# Altium PCB MainBoard_6_layers.PcbDoc (part 6 of 6)
Units mil, origin at the board's own origin, x right, y up, seen from the top; angles counter-clockwise.
Board outline 6692.91 x 6692.91 mil, 6 copper layers (Top Layer, Layer 1, Layer 3, Layer 4, Layer 2, Bottom Layer), stack 32.112 mil thick; 236 components, 405 nets, 1909 pads, 1279 vias.
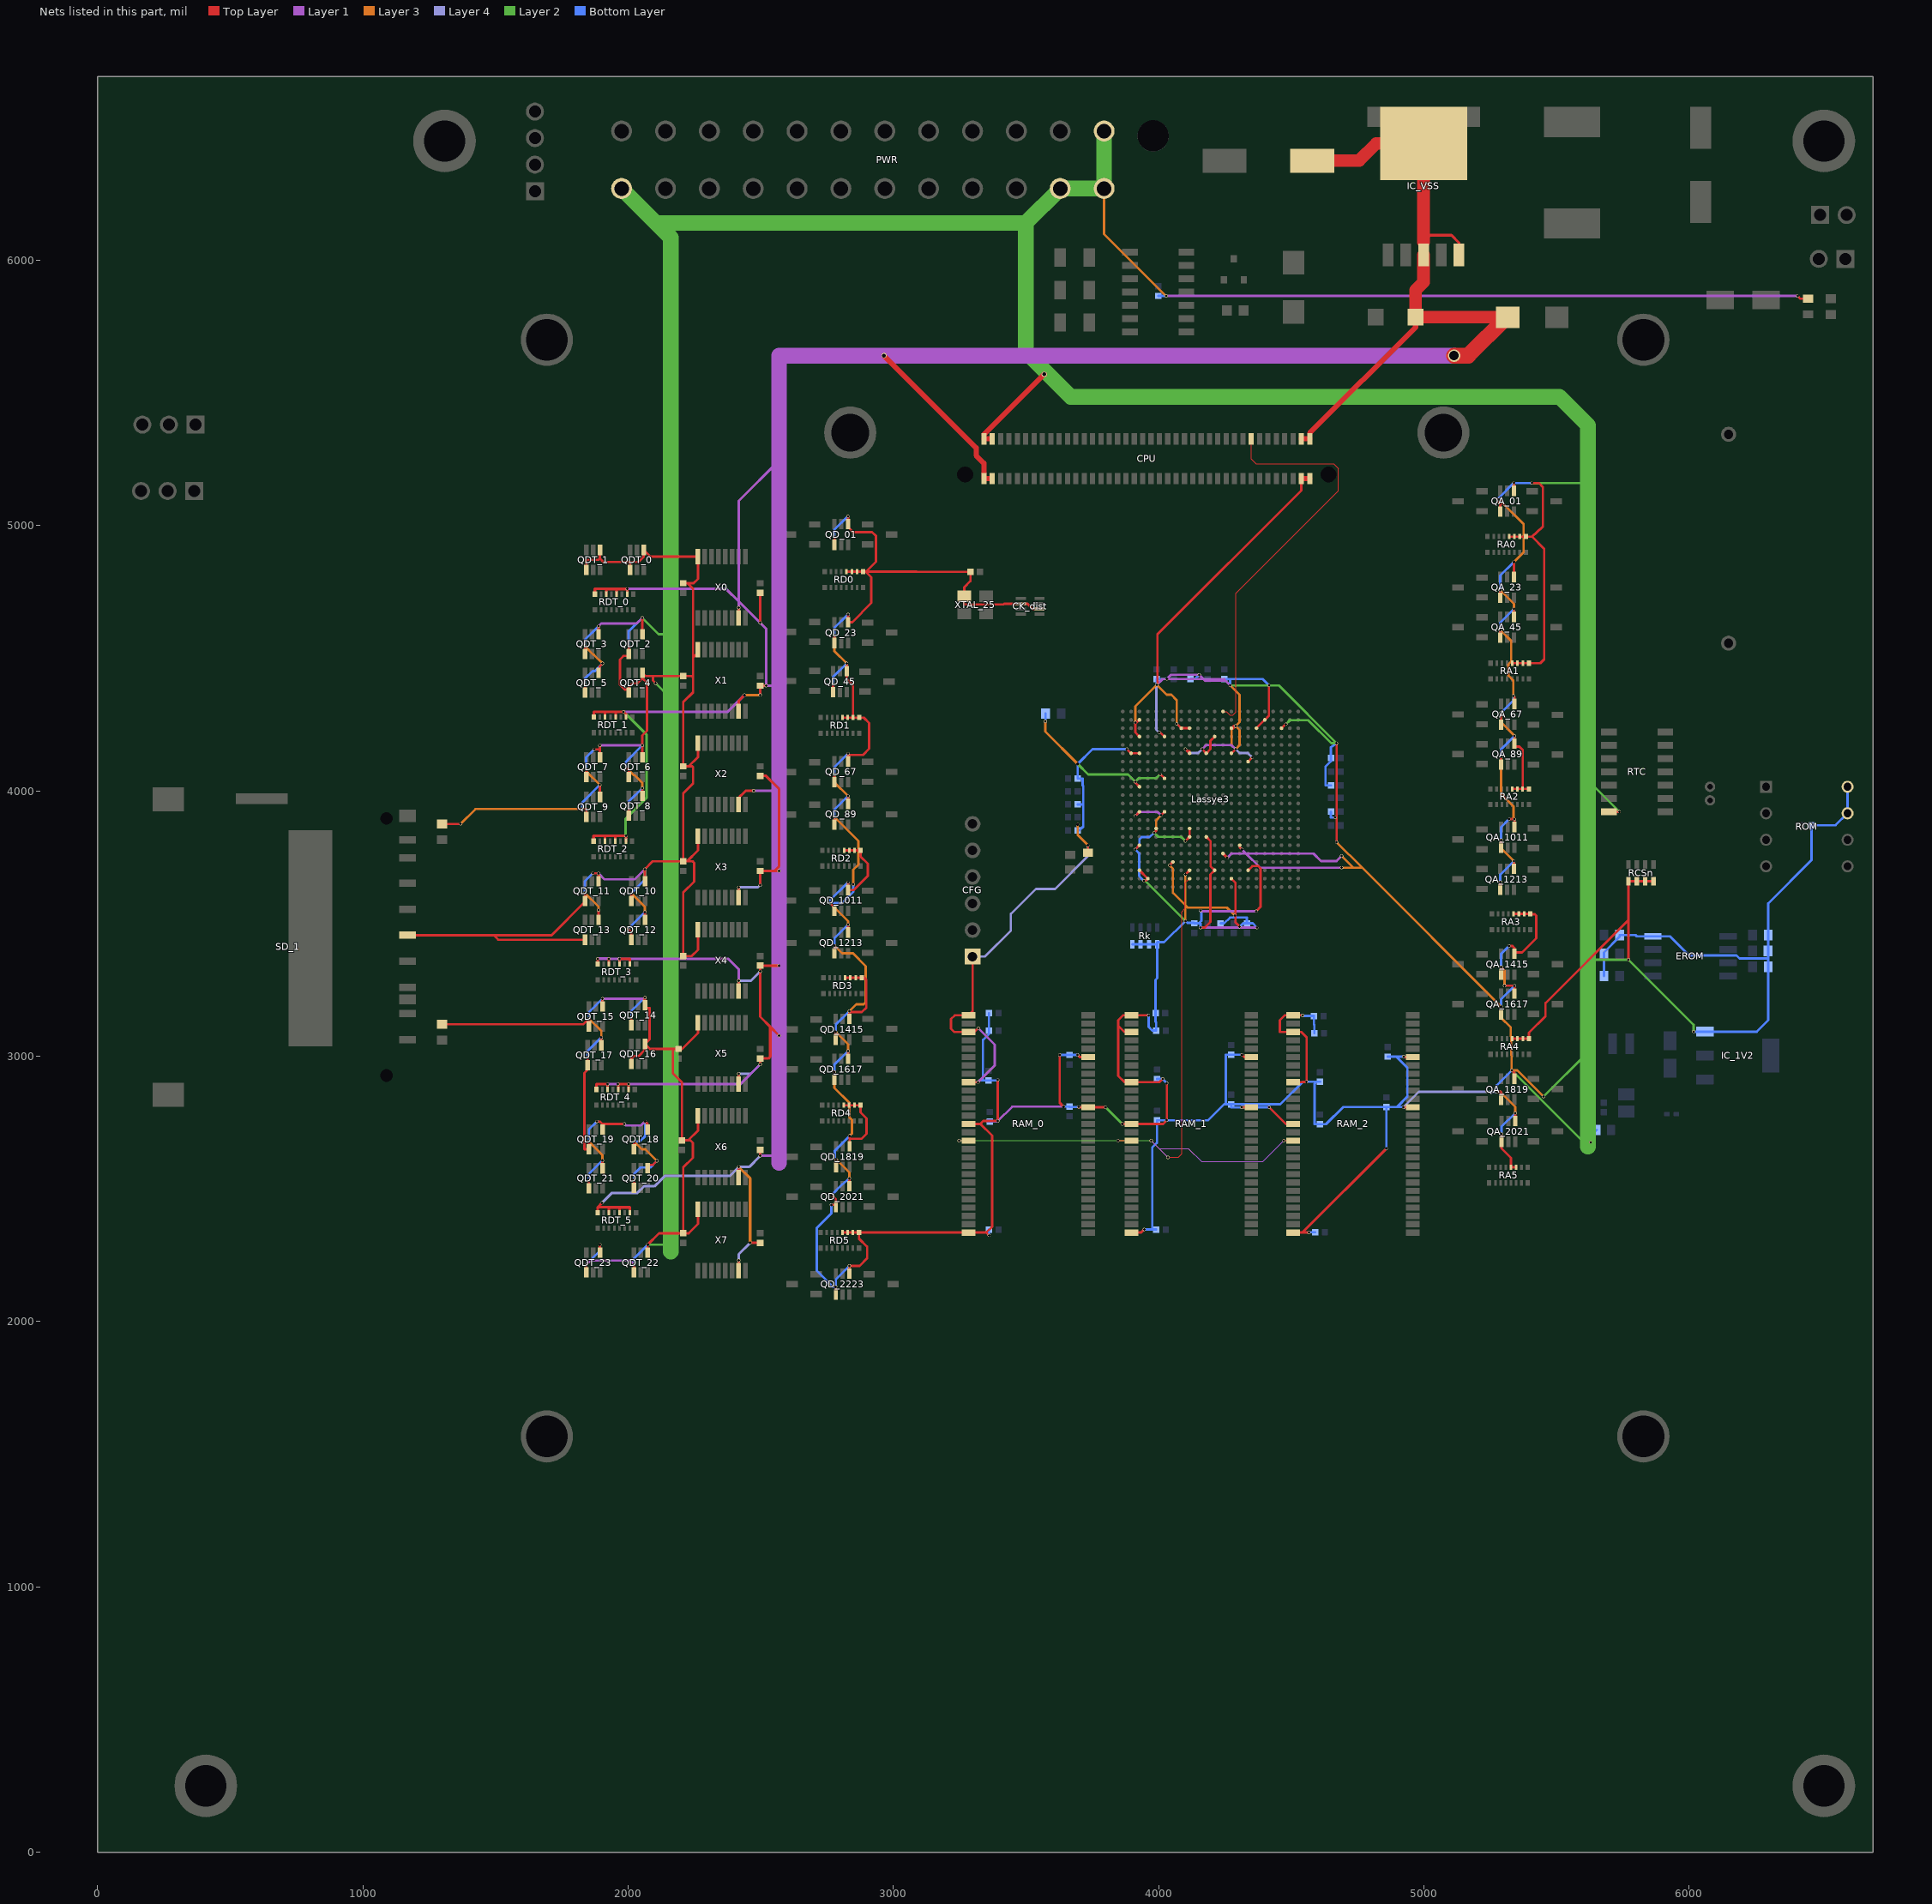
[diagram p10: the nets of this part, all layers, seen from the top]

## Via types
v1: diameter 11.81, hole 9.84, Top Layer to Bottom Layer, tented both sides, 1273 vias
v2: diameter 11.81, hole 9.84, Top Layer to Bottom Layer, 3 vias
v3: diameter 19.68, hole 13.78, Top Layer to Bottom Layer, tented both sides, 2 vias
v4: diameter 47.24, hole 35.43, Top Layer to Bottom Layer, tented both sides, 1 vias

## Nets (pads, with @x,y where several pads share a name; then routed paths per layer and width w, separated by ;. In a path a pad name is that pad's centre, name@x,y a point inside that pad or via, vN(x,y) a via of type N, cw(c..) or ccw(c..) an arc to the next point about the centre after c; other vN are vias at no path point) (continued)
VDD: C_IO0.2 C_IO1.2 C_IO2.2 C_IO3.2 C_IO4.2 C_IO5.2 C_IO6.2 C_IO7.2 C_IO8.2 C_IO9.2 C_IO10.2 C_IO11.2 C_ROM.2 C_X0P.2 C_X1P.2 C_X2P.2 C_X3P.2 C_X4P.2 C_X5P.2 C_X6P.2 C_X7P.2 CFG.1 CICPwr.1 CK_dist.2 CK_dist.6 CPU.1 CPU.3 CPU.78 CPU.80 CR0.1 CR1.1 CR2.1 CR3.1 CR4.1 CR5.1 CR6.1 CR7.1 CR8.1 CR9.1 CR10.1 CR11.1 CR12.1 CR13.1 CR14.1 CR15.1 CR16.1 CR17.1 CR18.1 CR19.1 CR20.1 CRom.1 CXTAL.1 EROM.8 IC_1V2.3 Lassye3.AA4 Lassye3.AA14 Lassye3.B3 Lassye3.B18 Lassye3.C8 Lassye3.C9 Lassye3.C14 Lassye3.C17 Lassye3.C20 Lassye3.D3 Lassye3.D6 Lassye3.D12 Lassye3.F2 Lassye3.F3 Lassye3.F9 Lassye3.F11 Lassye3.F14 Lassye3.G16 Lassye3.J6 Lassye3.K3 Lassye3.N3 Lassye3.N6 Lassye3.R5 Lassye3.R9 Lassye3.T9 Lassye3.T11 Lassye3.U3 Lassye3.U15 Lassye3.V13 Lassye3.W7 Lassye3.Y3 Lassye3.Y9 Lassye3.Y12 Lassye3.Y16 PWR.1 PWR.2 PWR.3 PWR.23 QA_01.1 QA_01.4 QA_23.1 QA_23.4 QA_45.1 QA_45.4 QA_67.1 QA_67.4 QA_89.1 QA_89.4 QA_1011.1 QA_1011.4 QA_1213.1 QA_1213.4 QA_1415.1 QA_1415.4 QA_1617.1 QA_1617.4 QA_1819.1 QA_1819.4 QA_2021.1 QA_2021.4 QD_01.1 QD_01.4 QD_23.1 QD_23.4 QD_45.1 QD_45.4 QD_67.1 QD_67.4 QD_89.1 QD_89.4 QD_1011.1 QD_1011.4 QD_1213.1 QD_1213.4 QD_1415.1 QD_1415.4 QD_1617.1 QD_1617.4 QD_1819.1 QD_1819.4 QD_2021.1 QD_2021.4 QD_2223.1 QD_2223.4 QDT_0.1 QDT_0.4 QDT_1.1 QDT_1.4 QDT_2.1 QDT_2.4 QDT_3.1 QDT_3.4 QDT_4.1 QDT_4.4 QDT_5.1 QDT_5.4 QDT_6.1 QDT_6.4 QDT_7.1 QDT_7.4 QDT_8.1 QDT_8.4 QDT_9.1 QDT_9.4 QDT_10.1 QDT_10.4 QDT_11.1 QDT_11.4 QDT_12.1 QDT_12.4 QDT_13.1 QDT_13.4 QDT_14.1 QDT_14.4 QDT_15.1 QDT_15.4 QDT_16.1 QDT_16.4 QDT_17.1 QDT_17.4 QDT_18.1 QDT_18.4 QDT_19.1 QDT_19.4 QDT_20.1 QDT_20.4 QDT_21.1 QDT_21.4 QDT_22.1 QDT_22.4 QDT_23.1 QDT_23.4 R10K_reset.2 R_CDONE.1 R_CS.2 R_CSI.2 R_Hold.2 R_MISO.2 R_MOSI.2 R_Reset.2 R_WP.2 RA0.9 RA0.10 RA0.11 RA0.12 RA1.9 RA1.10 RA1.11 RA1.12 RA2.9 RA2.10 RA2.11 RA2.12 RA3.9 RA3.10 RA3.11 RA3.12 RA4.9 RA4.10 RA4.11 RA4.12 RA5.11 RA5.12 RAM_0.1 RAM_0.3 RAM_0.9 RAM_0.14 RAM_0.27 RAM_0.43 RAM_0.49 RAM_1.1 RAM_1.3 RAM_1.9 RAM_1.14 RAM_1.27 RAM_1.43 RAM_1.49 RAM_2.1 RAM_2.3 RAM_2.9 RAM_2.14 RAM_2.27 RAM_2.43 RAM_2.49 RCSn.5 RCSn.6 RCSn.7 RCSn.8 RD0.9 RD0.10 RD0.11 RD0.12 RD1.9 RD1.10 RD1.11 RD1.12 RD2.9 RD2.10 RD2.11 RD2.12 RD3.9 RD3.10 RD3.11 RD3.12 RD4.9 RD4.10 RD4.11 RD4.12 RD5.9 RD5.10 RD5.11 RD5.12 RDAT1.2 RDAT2.2 Rk.5 Rk.6 Rk.7 Rk.8 ROM.7 ROM.8 RTC.14 SD_1.P4 X0.16 X1.16 X2.16 X3.16 X4.16 X5.16 X6.16 X7.16 XTAL_25.4 | length 70443.2
  Top Layer w9.02: SD_1.P4@1167.87,3456.29 1493.91,3456.29 ; RDAT2.2@1298.66,3120.58 1830.09,3120.58 v1(1851.91,3142.41) 1852.32,3142 QDT_15.1@1852.32,3112.6 ; RDAT1.2@1298.66,3875.58 1368.19,3875.58 v1(1368.66,3876.05) ; v1(1826.32,3932) 1842.32,3932 QDT_9.1@1842.32,3902.6 ; v1(1836.91,3615.41) 1837.32,3615 QDT_11.1@1837.32,3585.33 1837.32,3582 1711.61,3456.29 1493.91,3456.29 ; v1(1836.91,4400) 1837.32,4399.59 QDT_5.1@1837.32,4370.7 ; v1(1836.91,4546.41) 1837.32,4546 QDT_3.1@1837.32,4516.53 ; QDT_13.1@1837.32,3439.5 1510.71,3439.5 1493.91,3456.29 ; v1(1841.91,4082.41) 1842.32,4082 QDT_7.1@1842.32,4052.6 ; QDT_23.1@1842.32,2185.33 v1@1842.32,2214.92 ; QDT_1.1@1842.32,4833.8 1842.32,4868.96 1844.42,4871.05 1888.66,4871.05 1888.66,4871.81 1893.5,4876.65 ; v1(1846.91,2996) 1847.32,2995.59 QDT_17.1@1847.32,2966.76 1847.32,2950 1834.91,2937.59 1834.91,2650 QDT_19.1@1852.32,2650 ; v1(1851.91,2532.41) 1852.32,2532 QDT_21.1@1852.32,2502.6 ; v1(1851.91,2679.41) 1852.32,2679 QDT_19.1@1852.32,2650 ; QDT_19.1@1852.32,2649.5 QDT_19.1@1852.32,2650 ; v1(1866.91,3690) 1888.23,3690 v1(1888.5,3689.73) QDT_11.4@1888.5,3660.14 ; v1(1871.91,4157) 1893.51,4157 ; v1(1881.91,2754) 1893.5,2754 1903.5,2745.18 ; QDT_13.4@1888.5,3514.3 1888.58,3514.38 1888.58,3550.97 v1(1888.66,3551.05) ; QDT_5.4@1888.5,4445.5 1892.85,4449.85 1892.85,4470.25 v1(1903.66,4481.05) ; QDT_3.4@1888.51,4591.34 v1(1888.51,4620.93) ; QDT_23.4@1893.5,2260.14 1893.5,2289.59 v1(1893.91,2290) ; QDT_9.4@1893.5,3977.4 v1(1893.5,4023) ; QDT_7.4@1893.51,4127.4 1893.51,4157 ; v1(1893.51,4172) 1893.51,4157 ; QDT_1.4@1893.5,4908.6 1893.5,4876.65 ; QDT_17.4@1898.5,3041.56 v1@1898.5,3070.59 ; v1@1898.5,3071 v1@1898.5,3070.59 ; v1(1898.91,3071) v1@1898.5,3070.59 ; QDT_21.4@1903.5,2577.4 v1(1903.5,2606.99) ; QDT_19.4@1903.5,2724.3 1903.5,2745.18 ; QDT_15.4@1903.5,3187.4 v1(1903.5,3216.99) ; v1(1985.73,2745.18) 1903.5,2745.18 ; v1(1991.12,4089.81) 1991.66,4089.28 1995.05,4089.28 2002.32,4082 QDT_6.1@2002.32,4052.6 ; v1(2000.51,3480.9) 2012.32,3469.09 QDT_12.1@2012.32,3439.49 ; v1(2001.91,3936) 2002.32,3935.59 QDT_8.1@2002.32,3906.76 ; v1(2001.91,4546.41) 2002.32,4546 QDT_2.1@2002.32,4516.54 2002.32,4509 1981.91,4509 1968.91,4496 1968.91,4400 1986.91,4382 QDT_4.1@2002.32,4382 ; QDT_4.1@2002.32,4370.7 QDT_4.1@2002.32,4382 ; QDT_0.1@2007.32,4833.8 2007.32,4863 ; v1(2011.91,3147.41) 2012.32,3147 QDT_14.1@2012.32,3117.6 ; QDT_16.1@2012.32,2971.76 2012.32,2992 2021.32,3001 2040.5,3001 2063.5,3024 QDT_16.4@2063.5,3046.56 ; QDT_10.1@2012.32,3585.33 v1(2012.32,3614.93) ; v1(2021.91,2533) 2022.32,2532.59 QDT_20.1@2022.32,2503.66 ; v1(2021.91,2679) v1@2022.32,2678.59 ; QDT_22.1@2022.32,2185.33 v1(2022.32,2214.92) ; QDT_18.1@2022.32,2649.5 v1@2022.32,2678.59 ; v1@2022.32,2679 v1@2022.32,2678.59 ; QDT_8.4@2053.51,3981.57 v1(2053.51,4011.16) ; QDT_6.4@2053.5,4127.4 v1(2053.5,4172) 2053.5,4209.59 2070.91,4227 2070.91,4408 2053.5,4425.41 ; QDT_2.4@2053.5,4591.34 v1(2053.5,4652.93) ; v1(2063.5,3221.99) QDT_14.4@2063.5,3192.4 2063.5,3182 2080.91,3182 2080.91,3063.97 QDT_16.4@2063.5,3046.56 ; QDT_12.4@2063.5,3514.3 v1(2063.5,3543.89) ; QDT_10.4@2063.5,3660.14 v1(2063.5,3705.73) 2092.78,3735 C_X3P.2@2207.67,3735 ; v1(2063.91,2754) 2073.5,2744.41 QDT_18.4@2073.5,2724.3 ; QDT_22.4@2073.5,2260.14 v1@2073.5,2289.59 ; QDT_20.4@2073.5,2578.46 2073.5,2586.45 2077.85,2590.81 2093.41,2590.81 v1(2108.66,2606.05) ; v1(2073.91,2290) v1@2073.5,2289.59 ; v1(2103.66,4406.05) 2093.66,4416.05 2093.66,4433.11 ; C_X0P.2@2207.91,4783.11 2223.91,4783.11 ; X7.16@2263.35,2423.53 2263.35,2368 2228.46,2333.11 C_X7P.2@2207.91,2333.11 ; X6.16@2263.35,2774.96 2263.35,2720 2226.46,2683.11 ; X5.16@2263.35,3126.39 2263.35,3088 2203.46,3028.11 C_X5P.2@2189.95,3028.11 2168.91,3028.11 ; X4.16@2263.35,3477.82 2263.35,3401.54 2239.91,3378.11 C_X4P.2@2207.67,3378.11 2207.67,3617.75 2248.66,3658.75 2248.66,3729.72 2243.38,3735 2222.35,3735 ; X3.16@2263.35,3829.25 2263.35,3776 2222.35,3735 ; X2.16@2263.35,4180.68 2263.35,4128 2228.46,4093.11 ; X1.16@2263.35,4532.11 2263.35,4512 2252.91,4512 2244.91,4504 ; v1(2761.91,3577) 2762.45,3576.47 2762.45,3575.26 2778.07,3559.64 QD_1011.1@2778.07,3547.83 ; v1(2765.91,2440) QD_2021.1@2783.07,2440 ; v1(2766.91,2477.16) 2783.07,2461 QD_2021.1@2783.07,2440 ; v1(2772.91,4402.16) 2773.07,4402 QD_45.1@2773.07,4372.83 ; v1(2777.91,2941) 2778.07,2940.84 QD_1617.1@2778.07,2911.68 ; v1(2777.91,3902) 2778.07,3901.84 QD_89.1@2778.07,3872.83 ; v1(2777.91,4062) v1@2778.07,4061.84 ; v1(2777.91,4587) 2778.07,4586.84 QD_23.1@2778.07,4557.83 ; v1(2777.91,4957.16) 2778.07,4957 QD_01.1@2778.07,4927.83 ; QD_1213.1@2778.07,3387.83 v1(2778.07,3417) ; QD_67.1@2778.07,4032.83 v1@2778.07,4061.84 ; v1@2778.07,4062 v1@2778.07,4061.84 ; QD_1415.1@2782.48,3062.31 2782.48,3091.57 v1(2782.91,3092) ; v1(2782.91,2131) 2783.07,2130.84 QD_2223.1@2783.07,2101.68 ; QD_2021.1@2783.07,2431.68 QD_2021.1@2783.07,2440 ; QD_1819.1@2783.66,2582.31 v1@2783.66,2611.75 ; v1@2783.66,2612.22 v1@2783.66,2611.75 ; v1(2783.91,2612) v1@2783.66,2611.75 ; RD5.12@2808.03,2336.05 RD5.11@2827.72,2336.05 RD5.10@2847.4,2336.05 RD5.9@2870.55,2336.05 ; RD1.12@2808.5,4276.72 RD1.11@2828.19,4276.72 RD1.10@2847.87,4276.72 ; RD4.12@2813.51,2815.58 RD4.11@2833.19,2815.58 RD4.10@2852.88,2815.58 RD4.9@2876.02,2815.58 2876.02,2788.89 2898.66,2766.25 2898.66,2707.73 2879.91,2688.99 2834.84,2688.99 ; RD2.12@2813.98,3776.25 RD2.11@2833.66,3776.25 RD2.10@2853.35,3776.25 RD2.9@2876.5,3776.25 2876.5,3753 2903.88,3725.62 2903.88,3680 2850.44,3626.57 QD_1011.4@2829.25,3626.57 2829.25,3655.66 v1(2828.91,3656) ; RD3.12@2818.35,3296.05 RD3.11@2838.03,3296.05 RD3.10@2857.72,3296.05 RD3.9@2880.87,3296.05 2889.86,3296.05 2897.91,3288 2897.91,3183.5 2881,3166.59 v1@2833.66,3166.59 ; RD0.12@2823.51,4826.72 RD0.11@2843.19,4826.72 RD0.10@2862.88,4826.72 RD0.9@2886.02,4826.72 2895.91,4826.72 ; v1(2823.91,4481) 2824.25,4480.66 QD_45.4@2824.25,4451.57 2824.25,4423 2847.87,4399.38 RD1.10@2847.87,4276.72 ; v1(2828.58,5035.66) 2829.25,5034.99 QD_01.4@2829.25,5006.57 2829.25,4994.75 2847.95,4976.05 2919.86,4976.05 2933.91,4962 2933.91,4864 2896.64,4826.72 ; QD_1617.4@2829.25,2990.42 v1(2829.25,3020) ; QD_1213.4@2829.25,3466.57 v1(2829.25,3496) ; QD_89.4@2829.25,3951.57 v1(2829.25,3981) ; v1(2829.25,4141) QD_67.4@2829.25,4111.57 2834.25,4136 2885.91,4136 2908.91,4159 2908.91,4256 2888.19,4276.72 RD1.9@2871.02,4276.72 RD1.10@2847.87,4276.72 ; v1(2829.25,4666) QD_23.4@2829.25,4636.57 2844.91,4636.57 2916.91,4708.57 2916.91,4805.72 2895.91,4826.72 ; QD_1415.4@2833.66,3141.05 v1@2833.66,3166.59 ; v1(2833.66,3170) v1@2833.66,3166.59 ; v1(2833.91,2540) 2834.25,2539.66 QD_2021.4@2834.25,2510.42 ; QD_2223.4@2834.25,2180.42 v1(2834.25,2210) 2872.61,2210 2900.97,2238.36 2900.97,2282.27 2870.55,2312.69 RD5.9@2870.55,2336.05 ; QD_1819.4@2834.84,2661.05 2834.84,2688.99 ; v1(2834.84,2700) 2834.84,2688.99 ; RAM_0.14@3283.15,2745 3327.91,2745 ; RAM_0.9@3283.15,2902.48 v1(3318.91,2902.48) ; CFG.1@3298.66,3376.05 3298.66,3169.96 RAM_0.1@3283.15,3154.45 3231.18,3154.45 3217.34,3140.61 3217.34,3104 3229.88,3091.46 RAM_0.3@3283.15,3091.46 3304.5,3091.46 3318.91,3105.87 v1(3320.5,3105.87) ; CPU.1@3341.38,5327.43 CPU.1@3341.38,5343.77 ; v1(3360.55,2325) 3350,2335.55 ; v1(3393.66,2911.05) v1(3393.66,2756.05) 3338.97,2756.05 3327.91,2745 ; CK_dist.6@3548.62,4686.37 3525.6,4686.37 3505.91,4706.05 3417.91,4706.05 3414.86,4703 3266.91,4703 3266.91,4733.53 XTAL_25.4@3267.32,4733.53 3267.32,4768 3290.55,4791.23 CXTAL.1@3290.55,4826.05 3088.58,4826.05 3087.91,4826.72 2896.64,4826.72 ; v1(3626.91,3005.23) 3626.91,2824.86 v1(3641.55,2810.23) ; v1(3694.69,3005.23) 3702.95,2996.97 RAM_0.49@3734.17,2996.97 ; v1(3698.91,2809) 3699.92,2807.99 RAM_0.43@3734.17,2807.99 v1(3799.92,2807.99) ; R_Reset.2@3733.66,3767.12 v1(3733.66,3795.37) ; v1(3862.91,2745) RAM_1.14@3898.15,2745 4016.91,2745 v1(4030.91,2759.01) v1(4030.91,2899) ; v1(3880.38,4158) Lassye3.F2@3896.22,4142.16 Lassye3.F3@3927.72,4142.16 ; RAM_1.27@3898.15,2335.55 3933.91,2335.55 v1(3945.48,2347.12) ; RAM_1.3@3898.15,3091.46 3871.91,3091.46 3847.91,3115.46 ; v1(3911.91,3780) 3912.02,3780 Lassye3.U3@3927.72,3795.7 ; v1(3911.91,3906) 3912.03,3906 Lassye3.N3@3927.72,3921.68 ; v1(3911.91,4035) 3911.91,4031.98 Lassye3.K3@3927.72,4016.17 ; Lassye3.Y3@3927.72,3701.21 Lassye3.AA4@3959.21,3669.72 3951.5,3662 v1(3943.91,3662) ; Lassye3.D3@3927.72,4205.15 3911.91,4220.95 v1(3911.91,4258.24) 3912.45,4258.78 3917.01,4258.78 3926.37,4268.14 Lassye3.B3@3927.72,4268.14 ; v1(3961.91,3154.45) RAM_1.1@3898.15,3154.45 3865.91,3154.45 3847.91,3136.45 3847.91,3115.46 ; v1(3982.91,3843) 3990.71,3850.8 Lassye3.R5@3990.71,3858.69 ; v1(3992.91,4400) 3995.22,4402.3 3995.22,4589.99 4538.23,5133 CPU.78@4538.23,5177.83 ; v1(4001.91,4221) 4006.35,4221 Lassye3.D6@4022.21,4205.15 ; v1(4006.46,4063.42) Lassye3.J6@4022.21,4047.67 ; v1(4008.72,3908.2) Lassye3.N6@4022.21,3921.68 ; v1(4015.91,2915) 4003.39,2902.48 RAM_1.9@3898.15,2902.48 3871.91,2902.48 3847.91,2926.48 3847.91,3115.46 ; v1(4040.95,3719.96) Lassye3.W7@4053.7,3732.71 ; v1(4067.91,4253) 4068.84,4253 Lassye3.C8@4085.2,4236.64 Lassye3.C9@4116.69,4236.64 ; v1@4100.7,3685.22 v1@4100.95,3685.46 ; v1(4100.91,3685) v1@4100.95,3685.46 ; v1(4100.91,4158) 4108.91,4150 4116.69,4150 Lassye3.F9@4116.69,4142.16 ; v1(4100.95,3811.45) Lassye3.T9@4116.69,3827.2 Lassye3.R9@4116.69,3858.69 ; Lassye3.Y9@4116.69,3701.21 v1@4100.95,3685.46 ; v1(4157.91,3485) 4173.91,3485 4195.43,3506.52 4195.43,3685.46 Lassye3.Y12@4211.18,3701.21 4195.67,3716.72 4195.67,3811.21 Lassye3.T11@4179.69,3827.2 ; v1(4163.91,4158) 4163.91,4157.93 Lassye3.F11@4179.69,4142.16 4195.43,4157.9 4195.43,4189.4 Lassye3.D12@4211.18,4205.15 ; Lassye3.V13@4242.68,3764.2 v1(4258.91,3748) ; Lassye3.AA14@4274.17,3669.72 4289.91,3653.98 4289.91,3503.8 v1(4305.72,3488) ; Lassye3.F14@4274.17,4142.16 4289.91,4157.9 v1(4289.91,4158) ; Lassye3.U15@4305.67,3795.7 4305.67,3788.24 v1(4313.91,3780) ; v1(4313.34,2807.41) 4313.91,2807.99 RAM_1.43@4349.17,2807.99 ; v1(4313.91,3005.9) 4322.84,2996.97 RAM_1.49@4349.17,2996.97 ; Lassye3.Y16@4337.17,3701.21 4352.95,3717 4375.91,3717 4384.65,3708.26 4384.65,3563.74 v1(4367.91,3547) ; Lassye3.G16@4337.17,4110.66 v1(4352.91,4126.41) ; Lassye3.C17@4368.66,4236.64 4368.66,4237.39 4399.41,4268.14 Lassye3.B18@4400.16,4268.14 4415.91,4283.9 v1(4415.91,4398) ; v1(4416.91,2808) 4479.91,2745 RAM_2.14@4507.4,2745 ; Lassye3.C20@4463.15,4236.64 4478.51,4252 v1(4479.91,4252) ; RAM_2.27@4507.4,2335.55 4542.02,2335.55 ; RAM_2.9@4507.4,2902.48 4542.39,2902.48 4543.38,2903.47 4557.38,2903.47 v1(4557.91,2904.01) 4557.91,3072 4538.46,3091.46 RAM_2.3@4507.4,3091.46 4456.91,3091.46 4456.91,3136 4475.36,3154.45 RAM_2.1@4507.4,3154.45 4542.47,3154.45 v1(4542.91,3154) ; v1(4566.91,2335.55) 4542.02,2335.55 ; v1(4665.91,3900) v1@4670.91,3900 ; v1(4670.91,3807) v1@4670.91,3900 ; v1@4670.91,3900.09 v1@4670.91,3900 ; v1(4670.91,4180) v1@4670.91,3900 ; v1(4858.66,2652.2) 4542.02,2335.55 ; v1(4923.03,2807.99) RAM_2.43@4958.43,2807.99 ; v1(4923.91,2999.01) 4925.95,2996.97 RAM_2.49@4958.43,2996.97 ; v1(5274.91,2866) 5290.58,2866 QA_1819.1@5290.58,2836.51 ; v1(5282.91,5099) 5283.45,5098.47 5283.45,5087.38 5288.07,5082.76 QA_01.1@5288.07,5052.83 ; v1(5287.91,3657) 5288.07,3656.84 QA_1213.1@5288.07,3627.83 ; v1(5287.91,4607) 5288.07,4606.84 QA_45.1@5288.07,4577.83 ; v1(5287.91,4757.16) 5288.07,4757 QA_23.1@5288.07,4727.83 ; QA_1617.1@5290.58,3157.71 5290.58,3186.67 v1(5290.91,3187) ; QA_1415.1@5290.58,3307.49 v1@5290.58,3336.67 ; QA_1011.1@5290.58,3785.63 5290.58,3814.67 v1(5290.91,3815) ; QA_89.1@5290.58,4099.66 5290.58,4128.67 v1(5290.91,4129) ; QA_67.1@5290.58,4249.43 5290.58,4278.67 ; v1(5290.91,3336.67) v1@5290.58,3336.67 ; v1@5290.91,3337 v1@5290.58,3336.67 ; 5290.91,4279 5290.58,4278.67 ; v1(5290.91,4295) 5290.58,4294.67 5290.58,4278.67 ; v1(5292.91,2707.16) 5293.07,2707 QA_2021.1@5293.07,2677.83 5293.07,2652.43 5328.5,2617 RA5.12@5328.5,2581.72 RA5.11@5348.19,2581.72 ; v1(5303.91,3266) v1@5341.76,3265.85 ; v1(5320.91,3416) 5333.76,3416 5341.76,3408 QA_1415.4@5341.76,3392 ; v1(5320.91,3894) v1@5341.76,3894 ; RA0.12@5321.97,4958.93 RA0.11@5341.65,4958.93 RA0.10@5361.34,4958.93 RA0.9@5384.49,4958.93 5407.91,4958.93 ; v1@5332.76,2945 5341.76,2936 QA_1819.4@5341.76,2915.25 ; RA2.12@5333.23,4007.95 RA2.11@5352.91,4007.95 RA2.10@5372.6,4007.95 ; RA4.12@5333.5,3066.72 RA4.11@5353.19,3066.72 RA4.10@5372.87,3066.72 RA4.9@5396.02,3066.72 5396.02,3089 5458.66,3151.64 5458.66,3200.75 5771.42,3513.5 ; RA1.12@5333.51,4481.72 RA1.11@5353.19,4481.72 RA1.10@5372.88,4481.72 RA1.9@5396.02,4481.72 5438.91,4481.72 5453.66,4496.47 5453.66,4913.18 5407.91,4958.93 ; v1(5336.91,4358) 5341.76,4353.15 QA_67.4@5341.76,4328.17 ; RA3.12@5338.5,3536.72 RA3.11@5358.19,3536.72 RA3.10@5377.87,3536.72 RA3.9@5401.02,3536.72 5402.75,3535 5418.38,3535 5423.66,3529.72 5423.66,3445.44 5370.22,3392 QA_1415.4@5341.76,3392 ; 5338.91,4836 5339.25,4835.66 ; v1(5338.91,5161) 5339.25,5160.66 QA_01.4@5339.25,5131.57 ; QA_1213.4@5339.25,3706.57 v1(5339.25,3736) ; QA_45.4@5339.25,4656.57 v1(5339.25,4686) ; QA_23.4@5339.25,4806.57 5339.25,4835.66 ; v1(5339.25,4863.34) 5339.25,4835.66 ; QA_1617.4@5341.76,3236.45 v1@5341.76,3265.85 ; QA_1415.4@5341.76,3386.23 QA_1415.4@5341.76,3392 ; QA_1011.4@5341.76,3864.37 v1@5341.76,3894 ; v1(5341.91,3266) v1@5341.76,3265.85 ; v1(5341.91,3894) v1@5341.76,3894 ; v1(5341.91,4208) 5341.76,4207.85 QA_89.4@5341.76,4178.4 5341.76,4167 5359.91,4167 5372.6,4154.31 RA2.10@5372.6,4007.95 ; QA_2021.4@5344.25,2756.57 v1(5344.25,2786) ; RA2.9@5395.75,4007.95 RA2.10@5372.6,4007.95 ; v1(5407.08,5161) 5432.98,5161 5448.66,5145.32 5448.66,4997.32 5445.81,4994.47 5407.91,4958.93 ; RTC.14@5697.44,3922.2 v1(5736.91,3922.2) ; v1(5771.42,3364.36) 5771.42,3513.5 ; RCSn.8@5865.91,3659.56 RCSn.7@5834.41,3659.56 RCSn.6@5802.91,3659.56 RCSn.5@5771.42,3659.56 5771.42,3513.5 ; v1(6408.91,5866) 6419.33,5855.58 R10K_reset.2@6448.66,5855.58 ; 1893.5,4876.65 1907.16,4863 2007.32,4863 ; QDT_4.1@2002.32,4382 2002.32,4392 2016.38,4406.05 2035.56,4406.05 2053.5,4424 2053.5,4425.41 ; 2007.32,4863 2038.91,4863 2058.5,4882.59 QDT_0.4@2058.5,4908.6 2083.57,4883.53 X0.16@2263.35,4883.53 2263.35,4800 2246.46,4783.11 2223.91,4783.11 ; 2053.5,4425.41 QDT_4.4@2053.5,4445.5 2065.9,4433.11 2093.66,4433.11 ; QDT_16.4@2063.5,3046.56 2081.96,3028.11 2168.91,3028.11 ; v1@2073.5,2289.59 2073.5,2290 2116.61,2333.11 C_X7P.2@2207.91,2333.11 ; 2093.66,4433.11 C_X1P.2@2207.91,4433.11 2240.46,4433.11 2244.91,4428.66 ; 2168.91,3028.11 2168.91,2936 2202.91,2902 C_X6P.2@2202.91,2683.11 2226.46,2683.11 ; C_X3P.2@2207.67,3735 2207.67,3990.75 2244.91,4028 2244.91,4090.35 2242.15,4093.11 2228.46,4093.11 ; C_X3P.2@2207.67,3735 2222.35,3735 ; C_X7P.2@2207.91,2333.11 2207.91,2582 2243.66,2617.75 2243.66,2673.4 2233.95,2683.11 2226.46,2683.11 ; 2223.91,4783.11 2244.91,4762.11 2244.91,4504 ; 2228.46,4093.11 C_X2P.2@2207.91,4093.11 2207.91,4335 2244.91,4372 2244.91,4428.66 ; 2244.91,4428.66 2244.91,4504 ; RD5.9@2870.55,2336.05 3075.91,2336.05 3076.42,2335.55 RAM_0.27@3283.15,2335.55 3350,2335.55 ; 2895.91,4826.72 2896.64,4826.72 ; 3327.91,2745 3371.91,2701 3371.91,2357.46 3350,2335.55 ; Lassye3.C14@4274.17,4236.64 4282.53,4245 v1(4289.91,4245) 4281.56,4236.64 Lassye3.C14@4274.17,4236.64